# KiCad board eps.kicad_pcb (continued)
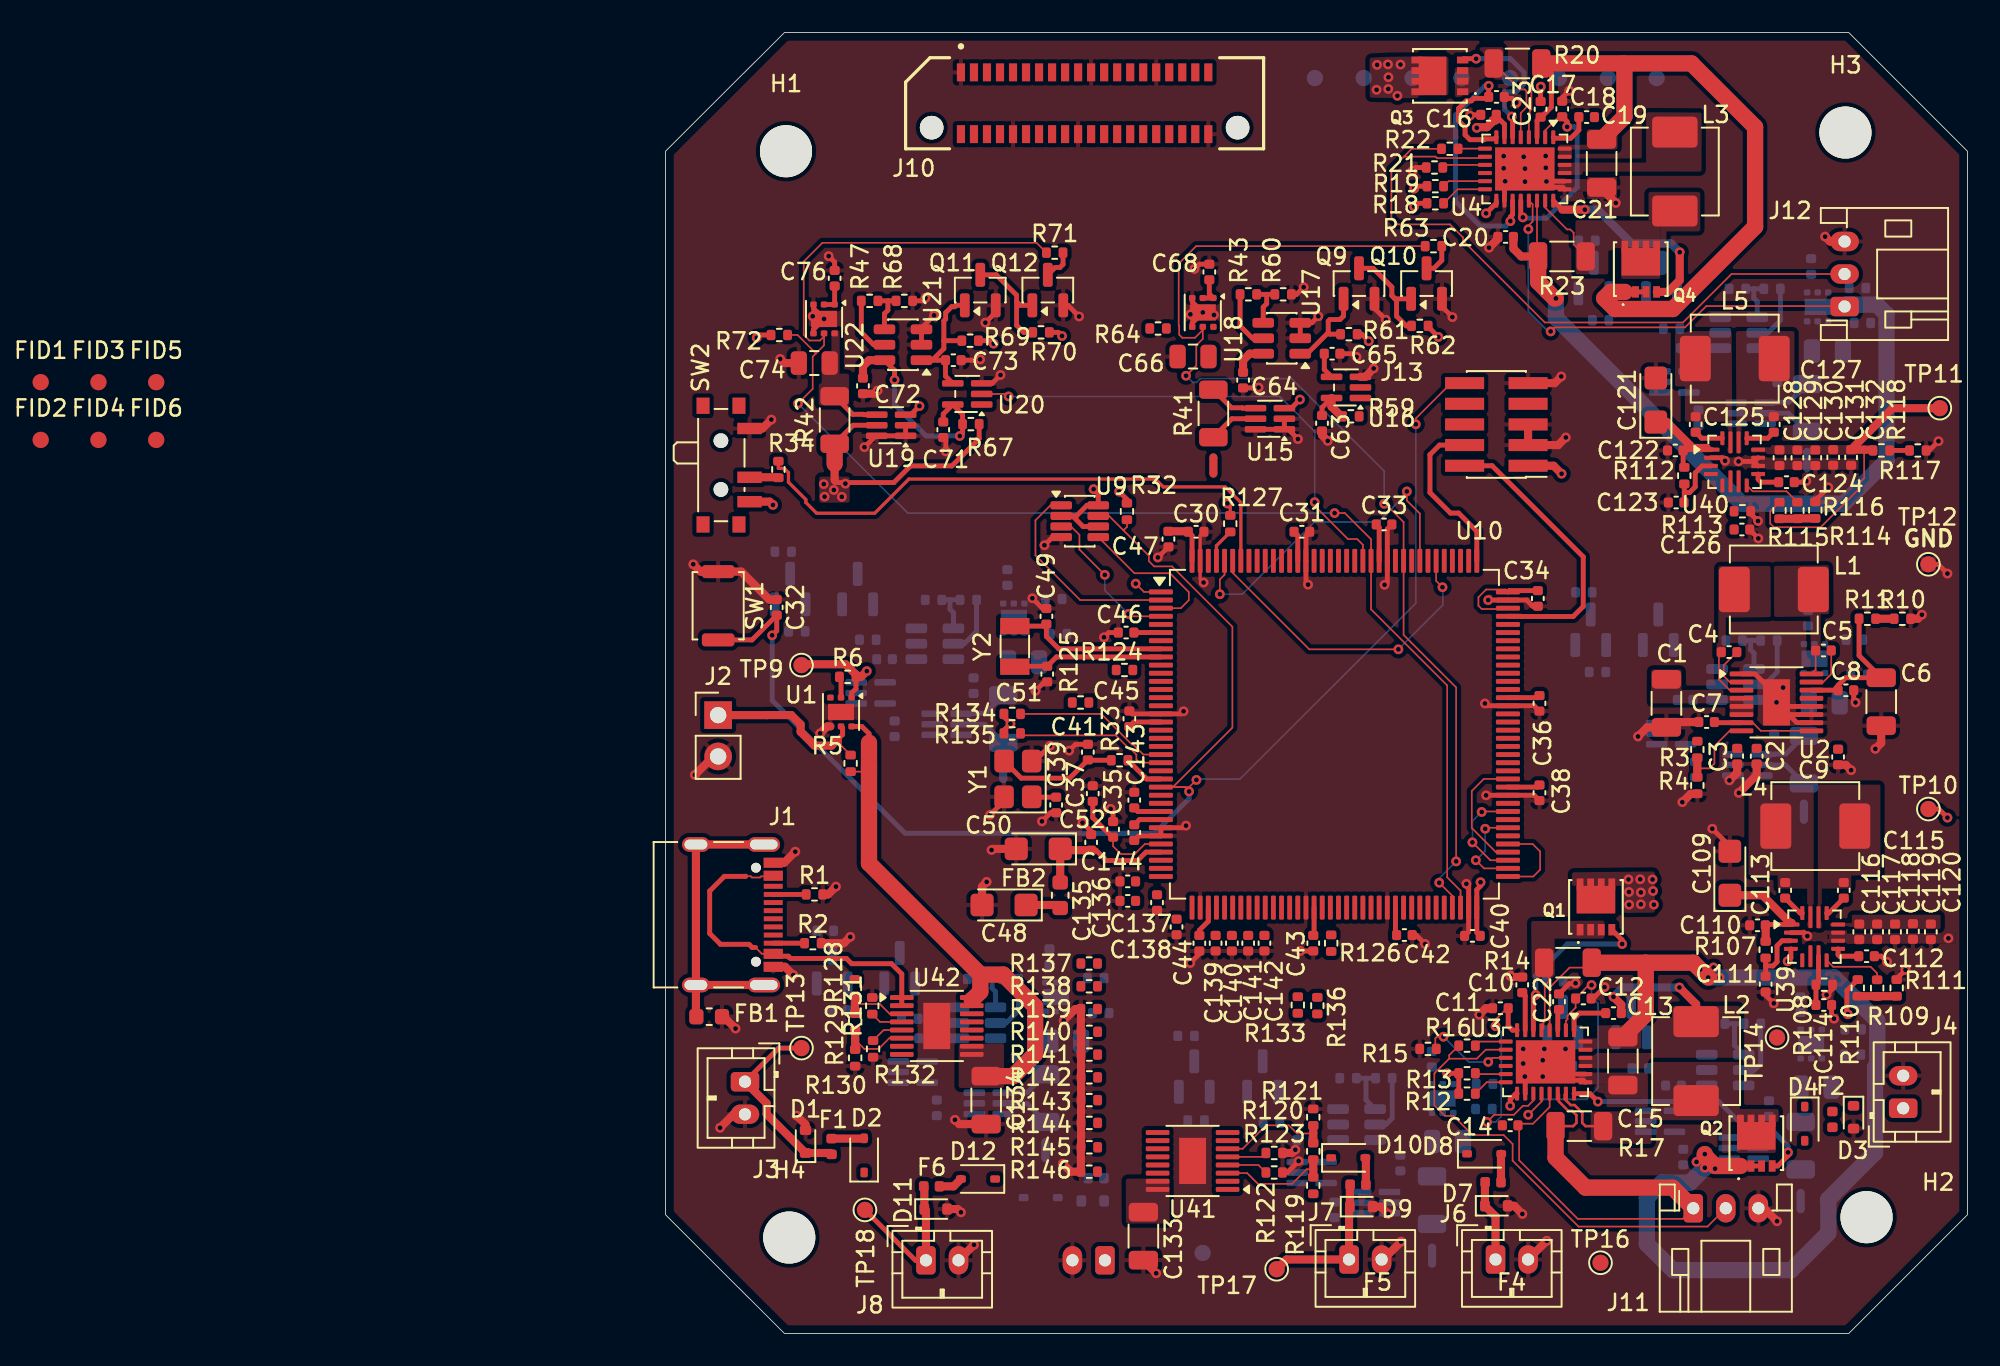
[diagram p0: board, top side]
## Placement (name value [footprint] x y rotation side) (continued)
Y1  8MHz  [Crystal_SMD_3225-4Pin_3.2x2.5mm]  21.65 34.1 90 top
Y2  32KHz  [Crystal_SMD_3215-2Pin_3.2x1.5mm]  21.46 42.25 90 top

## Library data of the parts
C1-C5 C8-C23 C30-C47 C49 C51 C52 C110-C120 C122-C144 = -: Description: capacitor, small US symbol; ki_fp_filters: C_*
C6 = -: Description: capacitor, small US symbol; Breakdown Voltage: 16V; ki_fp_filters: C_*
C7 = -: Description: capacitor, small US symbol; Breakdown Voltage: 10V; ki_fp_filters: C_*
C24-C27 C29 C55-C58 C60 C63-C66 C68 C71-C74 C76 C79-C82 C84 C87-C90 C92 C95-C98 C100 C103-C106 C108 = -: Description: Unpolarized capacitor, small symbol; ki_fp_filters: C_*
C48 C50 C109 C121 = -: Description: Polarized capacitor, small US symbol; ki_fp_filters: CP_*
D1 D3 D5 D7 D9 D11 = -: Description: Bidirectional transient-voltage-suppression diode; ki_fp_filters: TO-???* *_Diode_* *SingleDiode* D_*
D2 D4 D6 D8 D10 D12 = -: Description: Schottky diode; ki_fp_filters: TO-???* *_Diode_* *SingleDiode* D_*
F1-F6 = -: Description: Resettable fuse, polymeric positive temperature coefficient; ki_fp_filters: *polyfuse* *PTC*
FB1 FB2 = -: Description: Ferrite bead, small symbol; ki_fp_filters: Inductor_* L_* *Ferrite*
FID1-FID6 = -: Description: Fiducial Marker; ki_fp_filters: Fiducial*
H1-H4 = -: Description: Mounting Hole without connection; ki_fp_filters: MountingHole*
J1 = -: Datasheet: https://www.usb.org/sites/default/files/documents/usb_type-c.zip; Description: USB 2.0-only 16P Type-C Receptacle connector; ki_fp_filters: USB*C*Receptacle*
J2-J8 = -: Description: Generic connector, single row, 01x02, script generated (kicad-library-utils/schlib/autogen/connector/); ki_fp_filters: Connector*:*_1x??_*
J10 = -: Description: Generic connector, double row, 02x20, counter clockwise pin numbering scheme (similar to DIP package numbering), script generated (kicad-library-utils/schlib/autogen/connector/); ki_fp_filters: Connector*:*_2x??_*
J11 J12 = -: Description: Generic connector, single row, 01x03, script generated (kicad-library-utils/schlib/autogen/connector/); ki_fp_filters: Connector*:*_1x??_*
J13 = -: Datasheet: http://infocenter.arm.com/help/topic/com.arm.doc.ddi0314h/DDI0314H_coresight_components_trm.pdf; Description: Cortex Debug Connector, standard ARM Cortex-M SWD and JTAG interface; ki_fp_filters: PinHeader?2x05?P1.27mm*
L1-L5 = -: Description: Inductor, small symbol; ki_fp_filters: Choke_* *Coil* Inductor_* L_*
NT1-NT8 = -: Description: Net tie, 2 pins; ki_fp_filters: Net*Tie*
Q1-Q4 = -: Description: N-MOSFET transistor; Sim.Type: VDMOS; Sim.Pins: 1=D 2=G 3=S
Q5-Q20 = -: Datasheet: https://www.infineon.com/dgdl/irlml0030pbf.pdf?fileId=5546d462533600a401535664773825df; Description: 5.3A Id, 30V Vds, 27mOhm Rds, N-Channel HEXFET Power MOSFET, SOT-23; Vds(max): 30V; ki_fp_filters: SOT?23*
R1-R6 R10-R23 R32-R34 R107-R146 = -: Description: Resistor, small US symbol; ki_fp_filters: R_*
R24-R29 R51-R56 R59-R64 R67-R72 R75-R80 R83-R88 R91-R96 R99-R104 = -: Description: Resistor, US symbol; ki_fp_filters: R_*
R35 R36 R39 R40 R43 R44 R47 R48 = -: Description: Resistor, small US symbol; Tolerance: 1%; ki_fp_filters: R_*
R37 R38 R41 R42 R45 R46 R49 R50 = -: Description: Resistor, small US symbol; Power: 0.25W; LCSC PN: C465512; ki_fp_filters: R_*
SW1 = -: Description: Push button switch, generic, two pins
SW2 = -: Description: Switch, single pole double throw
TP1-TP18 = -: Description: test point; ki_fp_filters: Pin* Test*
U1 = -: Datasheet: http://www.ti.com/lit/ds/symlink/tps22810.pdf; Description: 2.7..18V, 3A, 79mohms On-Resistance Load Switch With Thermal Protection, WSON-6; ki_fp_filters: WSON*1EP*2x2mm*P0.65mm*
U10 = -: Datasheet: https://www.st.com/resource/en/datasheet/stm32l496zg.pdf; Description: STMicroelectronics Arm Cortex-M4 MCU, 1024KB flash, 320KB RAM, 80 MHz, 1.71-3.6V, 115 GPIO, LQFP144; ki_fp_filters: LQFP*20x20mm*P0.5mm*
Y1 = -: Description: Four pin crystal, GND on pins 2 and 4; LCSC PN: C9002; ki_fp_filters: Crystal*
Y2 = -: Description: Two pin crystal; ki_fp_filters: Crystal*

## Footprints (pads in the part's own frame, mm; a bottom-side part is the same pattern mirrored in y, then rotated)
C_0402_1005Metric
  rrect 0.56x0.62 smd: 1(-0.48,0) 2(0.48,0)
C_0805_2012Metric
  rrect 1x1.45 smd: 1(-0.95,0) 2(0.95,0)
C_1206_3216Metric
  rrect 1.15x1.8 smd: 1(-1.475,0) 2(1.475,0)
CP_EIA-3216-18_Kemet-A
  rrect 1.415x1.39 smd: 1(-1.353,0) 2(1.353,0)
Crystal_SMD_3215-2Pin_3.2x1.5mm
  rect 1x1.8 smd: 1(1.25,0) 2(-1.25,0)
Crystal_SMD_3225-4Pin_3.2x2.5mm
  rrect 1.4x1.2 smd: 1(-1.1,-0.85) 2(1.1,-0.85) 3(1.1,0.85) 4(-1.1,0.85)
D_SOD-323
  rrect 0.6x0.45 smd: 1(-1.05,0) 2(1.05,0)
D_SOD-523
  rrect 0.6x0.7 smd: 1(-0.7,0) 2(0.7,0)
Fiducial_1mm_Mask2mm
  round 1 smd: (0,0)
Fuse_0402_1005Metric
  rrect 0.59x0.64 smd: 1(-0.485,0) 2(0.485,0)
JST_PH_B2B-PH-K_1x02_P2.00mm_Vertical
  rrect 1.2x1.75 hole 0.75: 1(0,0)
  oval 1.2x1.75 hole 0.75: 2(2,0)
JST_PH_S3B-PH-K_1x03_P2.00mm_Horizontal
  rrect 1.2x1.75 hole 0.75: 1(0,0)
  oval 1.2x1.75 hole 0.75: 2(2,0) 3(4,0)
L_0603_1608Metric
  rrect 0.875x0.95 smd: 1(-0.787,0) 2(0.787,0)
L_Vishay_IHLP-2020
  rrect 1.905x2.79 smd: 1(-2.425,0) 2(2.425,0)
LQFP-144_20x20mm_P0.5mm
  rrect 1.475x0.3 smd: 1(-10.662,8.75) 2(-10.662,8.25) 3(-10.662,7.75) 4(-10.662,7.25) 5(-10.662,6.75) 6(-10.662,6.25) 7(-10.662,5.75) 8(-10.662,5.25) 9(-10.662,4.75) 10(-10.662,4.25) 11(-10.662,3.75) 12(-10.662,3.25) 13(-10.662,2.75) 14(-10.662,2.25) 15(-10.662,1.75) 16(-10.662,1.25) 17(-10.662,0.75) 18(-10.662,0.25) 19(-10.662,-0.25) 20(-10.662,-0.75) 21(-10.662,-1.25) 22(-10.662,-1.75) 23(-10.662,-2.25) 24(-10.662,-2.75) 25(-10.662,-3.25) 26(-10.662,-3.75) 27(-10.662,-4.25) 28(-10.662,-4.75) 29(-10.662,-5.25) 30(-10.662,-5.75) 31(-10.662,-6.25) 32(-10.662,-6.75) 33(-10.662,-7.25) 34(-10.662,-7.75) 35(-10.662,-8.25) 36(-10.662,-8.75) 73(10.662,-8.75) 74(10.662,-8.25) 75(10.662,-7.75) 76(10.662,-7.25) 77(10.662,-6.75) 78(10.662,-6.25) 79(10.662,-5.75) 80(10.662,-5.25) 81(10.662,-4.75) 82(10.662,-4.25) 83(10.662,-3.75) 84(10.662,-3.25) 85(10.662,-2.75) 86(10.662,-2.25) 87(10.662,-1.75) 88(10.662,-1.25) 89(10.662,-0.75) 90(10.662,-0.25) 91(10.662,0.25) 92(10.662,0.75) 93(10.662,1.25) 94(10.662,1.75) 95(10.662,2.25) 96(10.662,2.75) 97(10.662,3.25) 98(10.662,3.75) 99(10.662,4.25) 100(10.662,4.75) 101(10.662,5.25) 102(10.662,5.75) 103(10.662,6.25) 104(10.662,6.75) 105(10.662,7.25) 106(10.662,7.75) 107(10.662,8.25) 108(10.662,8.75)
  rrect 0.3x1.475 smd: 37(-8.75,-10.662) 38(-8.25,-10.662) 39(-7.75,-10.662) 40(-7.25,-10.662) 41(-6.75,-10.662) 42(-6.25,-10.662) 43(-5.75,-10.662) 44(-5.25,-10.662) 45(-4.75,-10.662) 46(-4.25,-10.662) 47(-3.75,-10.662) 48(-3.25,-10.662) 49(-2.75,-10.662) 50(-2.25,-10.662) 51(-1.75,-10.662) 52(-1.25,-10.662) 53(-0.75,-10.662) 54(-0.25,-10.662) 55(0.25,-10.662) 56(0.75,-10.662) 57(1.25,-10.662) 58(1.75,-10.662) 59(2.25,-10.662) 60(2.75,-10.662) 61(3.25,-10.662) 62(3.75,-10.662) 63(4.25,-10.662) 64(4.75,-10.662) 65(5.25,-10.662) 66(5.75,-10.662) 67(6.25,-10.662) 68(6.75,-10.662) 69(7.25,-10.662) 70(7.75,-10.662) 71(8.25,-10.662) 72(8.75,-10.662) 109(8.75,10.662) 110(8.25,10.662) 111(7.75,10.662) 112(7.25,10.662) 113(6.75,10.662) 114(6.25,10.662) 115(5.75,10.662) 116(5.25,10.662) 117(4.75,10.662) 118(4.25,10.662) 119(3.75,10.662) 120(3.25,10.662) 121(2.75,10.662) 122(2.25,10.662) 123(1.75,10.662) 124(1.25,10.662) 125(0.75,10.662) 126(0.25,10.662) 127(-0.25,10.662) 128(-0.75,10.662) 129(-1.25,10.662) 130(-1.75,10.662) 131(-2.25,10.662) 132(-2.75,10.662) 133(-3.25,10.662) 134(-3.75,10.662) 135(-4.25,10.662) 136(-4.75,10.662) 137(-5.25,10.662) 138(-5.75,10.662) 139(-6.25,10.662) 140(-6.75,10.662) 141(-7.25,10.662) 142(-7.75,10.662) 143(-8.25,10.662) 144(-8.75,10.662)
MountingHole_3.2mm_M3
  round 3.2 hole 3.2 unplated: (0,0)
MPS_QFN-16_3x3mm_P0.5mm
  custom 0.95x0.25 smd: 1(-1.4,0.75)
  rrect 0.85x0.25 smd: 2(-1.45,0.25) 3(-1.45,-0.25) 10(1.45,-0.25) 11(1.45,0.25)
  custom 0.85x0.25 smd: 4(-1.45,-0.75) 9(1.45,-0.75) 12(1.45,0.75)
  custom 0.25x0.85 smd: 5(-0.75,-1.45) 8(0.75,-1.45) 13(0.75,1.45) 16(-0.75,1.45)
  rrect 0.25x1.35 smd: 6(-0.25,-1.2) 7(0.25,-1.2) 14(0.25,1.2) 15(-0.25,1.2)
MSOP-16-1EP_3x4.039mm_P0.5mm_EP1.651x2.845mm
  rrect 0.69x1.19 smd: (-0.415,0.71) (-0.415,-0.71) (0.415,0.71) (0.415,-0.71)
  rrect 1.45x0.3 smd: 1(-2.15,1.75) 2(-2.15,1.25) 3(-2.15,0.75) 4(-2.15,0.25) 5(-2.15,-0.25) 6(-2.15,-0.75) 7(-2.15,-1.25) 8(-2.15,-1.75) 9(2.15,-1.75) 10(2.15,-1.25) 11(2.15,-0.75) 12(2.15,-0.25) 13(2.15,0.25) 14(2.15,0.75) 15(2.15,1.25) 16(2.15,1.75)
  rect 1.651x2.845 smd: 17(0,0)
NetTie-2_SMD_Pad0.5mm
  round 0.5 smd: 1(-0.5,0) 2(0.5,0)
PinHeader_1x02_P2.54mm_Vertical
  rect 1.7x1.7 hole 1: 1(0,0)
  round 1.7 hole 1: 2(0,-2.54)
PinHeader_2x05_P1.27mm_Vertical_SMD
  rect 2.4x0.74 smd: 1(-1.95,2.54) 2(1.95,2.54) 3(-1.95,1.27) 4(1.95,1.27) 5(-1.95,0) 6(1.95,0) 7(-1.95,-1.27) 8(1.95,-1.27) 9(-1.95,-2.54) 10(1.95,-2.54)
QFN-28-1EP_4x5mm_P0.5mm_EP2.65x3.65mm
  rrect 1.07x0.98 smd: (-0.66,1.22) (-0.66,0) (-0.66,-1.22) (0.66,1.22) (0.66,0) (0.66,-1.22)
  rrect 0.85x0.25 smd: 1(-1.95,1.75) 2(-1.95,1.25) 3(-1.95,0.75) 4(-1.95,0.25) 5(-1.95,-0.25) 6(-1.95,-0.75) 7(-1.95,-1.25) 8(-1.95,-1.75) 15(1.95,-1.75) 16(1.95,-1.25) 17(1.95,-0.75) 18(1.95,-0.25) 19(1.95,0.25) 20(1.95,0.75) 21(1.95,1.25) 22(1.95,1.75)
  rrect 0.25x0.85 smd: 9(-1.25,-2.45) 10(-0.75,-2.45) 11(-0.25,-2.45) 12(0.25,-2.45) 13(0.75,-2.45) 14(1.25,-2.45) 23(1.25,2.45) 24(0.75,2.45) 25(0.25,2.45) 26(-0.25,2.45) 27(-0.75,2.45) 28(-1.25,2.45)
  rect 2.65x3.65 smd: 29(0,0)
R_0402_1005Metric
  rrect 0.54x0.64 smd: 1(-0.51,0) 2(0.51,0)
R_1206_3216Metric
  rrect 1.125x1.75 smd: 1(-1.462,0) 2(1.462,0)
SAMTEC_ERM8-020-X-X-DV
  round 1.45 hole 1.45 unplated: (-9.4,-1.5) (9.4,-1.5)
  rect 0.5x1.1 smd: 01(-7.6,1.9) 02(-7.6,-1.9) 03(-6.8,1.9) 04(-6.8,-1.9) 05(-6,1.9) 06(-6,-1.9) 07(-5.2,1.9) 08(-5.2,-1.9) 09(-4.4,1.9) 10(-4.4,-1.9) 11(-3.6,1.9) 12(-3.6,-1.9) 13(-2.8,1.9) 14(-2.8,-1.9) 15(-2,1.9) 16(-2,-1.9) 17(-1.2,1.9) 18(-1.2,-1.9) 19(-0.4,1.9) 20(-0.4,-1.9) 21(0.4,1.9) 22(0.4,-1.9) 23(1.2,1.9) 24(1.2,-1.9) 25(2,1.9) 26(2,-1.9) 27(2.8,1.9) 28(2.8,-1.9) 29(3.6,1.9) 30(3.6,-1.9) 31(4.4,1.9) 32(4.4,-1.9) 33(5.2,1.9) 34(5.2,-1.9) 35(6,1.9) 36(6,-1.9) 37(6.8,1.9) 38(6.8,-1.9) 39(7.6,1.9) 40(7.6,-1.9)
SOT-23
  rrect 1.475x0.6 smd: 1(-0.938,0.95) 2(-0.938,-0.95) 3(0.938,0)
SOT-23-6
  rrect 1.325x0.6 smd: 1(-1.137,0.95) 2(-1.137,0) 3(-1.137,-0.95) 4(1.137,-0.95) 5(1.137,0) 6(1.137,0.95)
SOT-23-8
  rrect 1.325x0.5 smd: 1(-1.137,0.975) 2(-1.137,0.325) 3(-1.137,-0.325) 4(-1.137,-0.975) 5(1.137,-0.975) 6(1.137,-0.325) 7(1.137,0.325) 8(1.137,0.975)
SOT-353_SC-70-5
  rrect 1.325x0.4 smd: 1(-0.887,0.65) 2(-0.887,0) 3(-0.887,-0.65) 4(0.887,-0.65) 5(0.887,0.65)
SOT-363_SC-70-6
  rrect 1.325x0.4 smd: 1(-0.887,0.65) 2(-0.887,0) 3(-0.887,-0.65) 4(0.887,-0.65) 5(0.887,0) 6(0.887,0.65)
SW_Push_SPST_NO_Alps_SKRK
  rrect 0.8x2 smd: 1(-2.1,0) 2(2.1,0)
SW_SPDT_PCM12
  rect 1x0.8 smd: (-3.65,0.78) (-3.65,-1.43) (3.65,0.78) (3.65,-1.43)
  round 0.9 hole 0.9 unplated: (-1.5,-0.33) (1.5,-0.33)
  rect 0.7x1.5 smd: 1(-2.25,1.43) 2(0.75,1.43) 3(2.25,1.43)
TestPoint_Pad_D1.0mm
  round 1 smd: 1(0,0)
TRANS_FDMC8327L
  rect 0.7x0.42 smd: 1(-1.4,0.975) 2(-1.4,0.325) 3(-1.4,-0.325) 4(-1.4,-0.975) 5(1.4,-0.975) 6(1.4,-0.325) 7(1.4,0.325) 8(1.4,0.975)
  rect 1.7x2.37 smd: 9(0.45,0)
USB_C_Receptacle_Palconn_UTC16-G
  round 0.6 hole 0.6 unplated: (-2.89,1.45) (2.89,1.45)
  rect 0.6x1.16 smd: A1(-3.2,2.51) A4(-2.4,2.51) A9(2.4,2.51) A12(3.2,2.51) B1(3.2,2.51) B4(2.4,2.51) B9(-2.4,2.51) B12(-3.2,2.51)
  rect 0.3x1.16 smd: A5(-1.25,2.51) A6(-0.25,2.51) A7(0.25,2.51) A8(1.25,2.51) B5(1.75,2.51) B6(0.75,2.51) B7(-0.75,2.51) B8(-1.75,2.51)
  oval 0.9x2 hole 0.6x1.7: S1(-4.32,1.93) S1(4.32,1.93)
  oval 0.9x1.7 hole 0.6x1.4: S1(-4.32,-2.24) S1(4.32,-2.24)
WSON-6-1EP_2x2mm_P0.65mm_EP1x1.6mm
  rrect 0.81x0.64 smd: (0,0.4) (0,-0.4)
  rrect 0.375x0.4 smd: 1(-0.887,0.65) 2(-0.887,0) 3(-0.887,-0.65) 4(0.887,-0.65) 5(0.887,0) 6(0.887,0.65)
  rect 1x1.6 smd: 7(0,0)

## Nets
+3.3V: C30.1 C31.1 C33.1 C34.1 C36.1 C38.1 C40.1 C42.1 C43.1 C44.1 C45.1 C46.1 C47.1 C48.1 C116.1 C117.1 C118.1 C119.1 C120.1 FB2.1 J13.1 NT1.1 NT2.1 NT3.1 NT4.1 NT5.1 NT6.1 R12.2 R13.2 R18.2 R19.2 R24.1 R26.1 R27.1 R29.1 R32.1 R51.1 R53.1 R54.1 R56.1 R59.1 R61.1 R62.1 R64.1 R67.1 R69.1 R70.1 R72.1 R75.1 R77.1 R78.1 R80.1 R83.1 R85.1 R86.1 R88.1 R93.1 R94.1 R96.1 R101.1 R102.1 R104.1 R110.1 R124.1 R125.1 R126.1 R127.1 R133.1 R134.1 R135.1 R136.1 SW2.3 TP10.1 U3.15 U4.15 U5.3 U9.2 U9.6 U9.8 U10.6 U10.17 U10.39 U10.52 U10.62 U10.72 U10.84 U10.95 U10.106 U10.108 U10.121 U10.131 U10.144 U11.3 U15.3 U19.3 U23.3 U27.3 U31.3 U35.3 U39.12
+5V: C128.1 C129.1 C130.1 C131.1 C132.1 NT7.1 NT8.1 R91.1 R99.1 R115.1 R118.1 TP11.1 U40.12
/3v3 Voltage Regulator/VIN: C109.1 C110.1 C121.1 C122.1 C133.1 R107.1 R112.1 U39.1 U40.1 U41.9 U41.10 U41.15 U41.16
/5V_REG_ADC: R117.1 R118.2 R138.1
/MPPT/VCC: C7.1 U2.7 U2.9
/MPPT/VIN: C1.1 C2.1 C3.1 D2.1 D4.1 D6.1 D8.1 D10.1 D12.1 R3.1 U2.4 U2.5 U2.6
/STM32L4/5V_REG_S: C136.1 R138.2 U10.35
/STM32L4/VDDA: C50.1 C52.1 FB2.2 U10.33
GND: C1.2 C2.2 C3.2 C6.2 C7.2 C8.2 C9.2 C10.2 C11.2 C12.2 C14.2 C15.2 C16.2 C17.2 C18.2 C20.2 C21.2 C22.2 C23.2 C24.2 C25.1 C26.1 C27.1 C29.1 C30.2 C31.2 C32.1 C33.2 C34.2 C35.2 C36.2 C37.2 C38.2 C39.2 C40.2 C41.2 C42.2 C43.2 C44.2 C45.2 C46.2 C47.2 C48.2 C49.1 C50.2 C51.1 C52.2 C55.2 C56.1 C57.1 C58.1 C60.1 C63.2 C64.1 C65.1 C66.1 C68.1 C71.2 C72.1 C73.1 C74.1 C76.1 C79.2 C80.1 C81.1 C82.1 C84.1 C87.2 C88.1 C89.1 C90.1 C92.1 C95.2 C96.1 C97.1 C98.1 C100.1 C103.2 C104.1 C105.1 C106.1 C108.1 C109.2 C110.2 C111.2 C112.2 C114.2 C116.2 C117.2 C118.2 C119.2 C120.2 C121.2 C122.2 C123.2 C124.2 C126.2 C128.2 C129.2 C130.2 C131.2 C132.2 C133.2 C134.2 C135.2 C136.2 C137.2 C138.2 C139.2 C140.2 C141.2 C142.2 C143.2 C144.2 D1.2 D3.2 D5.2 D7.2 D9.2 D11.2 FB1.2 J1.A1 J1.A12 J1.B1 J1.B12 J2.2 J3.2 J4.2 J5.2 J6.2 J7.2 J8.2 J10.01 J10.10 J10.20 J10.21 J10.31 J10.40 J11.3 J12.3 J13.3 J13.5 J13.9 Q5.2 Q6.2 Q7.2 Q8.2 Q9.2 Q10.2 Q11.2 Q12.2 Q13.2 Q14.2 Q15.2 Q16.2 Q17.2 Q18.2 Q19.2 Q20.2 R1.2 R2.2 R4.2 R10.2 R15.2 R21.2 R25.2 R52.2 R60.2 R68.2 R76.2 R84.2 R92.2 R100.2 R108.2 R111.2 R113.2 R116.2 R117.2 R121.2 R122.2 R123.2 R130.2 R131.2 R132.2 R139.1 R140.1 R141.1 R142.1 R143.1 R144.1 R145.1 R146.1 SW1.1 SW2.1 TP12.1 U1.4 U1.7 U2.1 U2.10 U2.11 U2.12 U2.17 U3.16 U3.23 U3.24 U3.29 U4.16 U4.23 U4.24 U4.29 U5.1 U5.2 U5.6 U6.3 U7.2 U7.3 U8.3 U8.4 U8.7 U9.4 U10.16 U10.30 U10.31 U10.38 U10.51 U10.61 U10.71 U10.83 U10.94 U10.107 U10.120 U10.130 U10.143 U11.1 U11.2 U11.6 U12.3 U13.2 U13.3 U14.3 U14.4 U14.7 U15.1 U15.2 U15.6 U16.3 U17.2 U17.3 U18.3 U18.4 U18.7 U19.1 U19.2 U19.6 U20.3 U21.2 U21.3 U22.3 U22.4 U22.7 U23.1 U23.2 U23.6 U24.3 U25.2 U25.3 U26.3 U26.4 U26.7 U27.1 U27.2 U27.6 U28.3 U29.2 U29.3 U30.3 U30.4 U30.7 U31.1 U31.2 U31.6 U32.3 U33.2 U33.3 U34.3 U34.4 U34.7 U35.1 U35.2 U35.6 U36.3 U37.2 U37.3 U38.3 U38.4 U38.7 U39.2 U39.10 U39.11 U40.2 U40.10 U40.11 U41.17 U42.17 Y1.2 Y1.4
VBUS: J1.A4 J1.A9 J1.B4 J1.B9 R128.1 U42.1 U42.2
/3v3 Voltage Regulator/SW1: C113.2 L4.1 U39.15
/3v3 Voltage Regulator/SW2: C115.2 L4.2 U39.14
/5V Voltage Regulator/SW1: C125.2 L5.1 U40.15
/5V Voltage Regulator/SW2: C127.2 L5.2 U40.14
/AUX_RX: J10.23 U10.45
/AUX_TX: J10.22 U10.44
/Battery Charger1/CSN: C20.1 J12.1 R23.2 U4.19 U4.20
/Battery Charger1/CSP: L3.2 Q4.5 Q4.6 Q4.7 Q4.8 Q4.9 R23.1 U4.21
/Battery Charger1/NTC: J12.2 R22.2 U4.10
/Battery Charger1/SW1: C19.2 L3.1 U4.25 U4.26
/Battery Charger1/VOUT: C21.1 C23.1 Q4.1 Q4.2 Q4.3 R20.2 U4.3 U4.4 U4.27 U4.28 U41.7 U41.8
/Battery Charger/CSN: C14.1 J11.1 R17.2 U3.19 U3.20
/Battery Charger/CSP: L2.2 Q2.5 Q2.6 Q2.7 Q2.8 Q2.9 R17.1 U3.21
/Battery Charger/NTC: J11.2 R16.2 U3.10
/Battery Charger/SW1: C13.2 L2.1 U3.25 U3.26
/Battery Charger/VOUT: C15.1 C22.1 Q2.1 Q2.2 Q2.3 R14.2 R119.1 U3.3 U3.4 U3.27 U3.28 U41.1 U41.2
/C1_ALERT: U3.12 U10.14
/C1_SCL: R13.1 U3.13 U10.11
/C1_SDA: R12.1 U3.14 U10.10
/C2_ALERT: U4.12 U10.20
/C2_SCL: R19.1 U4.13 U10.54
/C2_SDA: R18.1 U4.14 U10.55
/Current Monitors/Aux 1/RREF+: R36.1 U25.5
/Current Monitors/Aux 1/RREF-: R36.2 R76.1 U25.4
/Current Monitors/Aux 1/Shunt+: NT5.2 R50.1 U23.5
/Current Monitors/Aux 1/Shunt-: C82.2 R50.2 U23.4 U26.6
/Current Monitors/Aux 2/RREF+: R40.1 U29.5
/Current Monitors/Aux 2/RREF-: R40.2 R84.1 U29.4
/Current Monitors/Aux 2/Shunt+: NT6.2 R49.1 U27.5
/Current Monitors/Aux 2/Shunt-: C90.2 R49.2 U27.4 U30.6
/Current Monitors/Auxiliary & Deployables/RREF+: R48.1 U37.5
/Current Monitors/Auxiliary & Deployables/RREF-: R48.2 R100.1 U37.4
/Current Monitors/Auxiliary & Deployables/Shunt+: NT8.2 R45.1 U35.5
/Current Monitors/Auxiliary & Deployables/Shunt-: C106.2 R45.2 U35.4 U38.6
/Current Monitors/Comms/RREF+: R39.1 U13.5
/Current Monitors/Comms/RREF-: R39.2 R52.1 U13.4
/Current Monitors/Comms/Shunt+: NT2.2 R38.1 U11.5
/Current Monitors/Comms/Shunt-: C58.2 R38.2 U11.4 U14.6
/Current Monitors/GPS/RREF+: R47.1 U21.5
/Current Monitors/GPS/RREF-: R47.2 R68.1 U21.4
/Current Monitors/GPS/Shunt+: NT4.2 R42.1 U19.5
/Current Monitors/GPS/Shunt-: C74.2 R42.2 U19.4 U22.6
/Current Monitors/OBC/RREF+: R35.1 U7.5
/Current Monitors/OBC/RREF-: R25.1 R35.2 U7.4
/Current Monitors/OBC/Shunt+: NT1.2 R37.1 U5.5
/Current Monitors/OBC/Shunt-: C27.2 R37.2 U5.4 U8.6
/Current Monitors/RAIL_1_RST: U6.2 U10.115
/Current Monitors/RAIL_1_VOUT: C29.2 J10.02 J10.39 TP1.1 U8.1 U8.2
/Current Monitors/RAIL_2_RST: U10.117 U12.2
/Current Monitors/RAIL_2_VOUT: C60.2 J10.03 J10.38 TP2.1 U14.1 U14.2
/Current Monitors/RAIL_3_RST: U10.119 U16.2
/Current Monitors/RAIL_3_VOUT: C68.2 J10.04 J10.37 TP3.1 U18.1 U18.2
/Current Monitors/RAIL_4_RST: U10.123 U20.2
/Current Monitors/RAIL_4_VOUT: C76.2 J10.05 J10.36 TP4.1 U22.1 U22.2
/Current Monitors/RAIL_5_RST: U10.78 U24.2
/Current Monitors/RAIL_5_VOUT: C84.2 J10.06 J10.35 TP5.1 U26.1 U26.2
/Current Monitors/RAIL_6_RST: U10.80 U28.2
/Current Monitors/RAIL_6_VOUT: C92.2 J10.07 J10.34 TP6.1 U30.1 U30.2
/Current Monitors/RAIL_7_RST: U10.82 U32.2
/Current Monitors/RAIL_7_VOUT: C100.2 J10.08 J10.33 TP7.1 U34.1 U34.2
/Current Monitors/RAIL_8_RST: U10.86 U36.2
/Current Monitors/RAIL_8_VOUT: C108.2 J10.09 J10.32 TP8.1 U38.1 U38.2
/Current Monitors/Raspberry Pi Camera/RREF+: R44.1 U33.5
/Current Monitors/Raspberry Pi Camera/RREF-: R44.2 R92.1 U33.4
/Current Monitors/Raspberry Pi Camera/Shunt+: NT7.2 R46.1 U31.5
/Current Monitors/Raspberry Pi Camera/Shunt-: C98.2 R46.2 U31.4 U34.6
/Current Monitors/Sensors/RREF+: R43.1 U17.5
/Current Monitors/Sensors/RREF-: R43.2 R60.1 U17.4
/Current Monitors/Sensors/Shunt+: NT3.2 R41.1 U15.5
/Current Monitors/Sensors/Shunt-: C66.2 R41.2 U15.4 U18.6
/D_STAT1: R124.2 U10.18 U41.14
/D_STAT2: R127.2 U10.141 U41.11
/D_WARN1: R125.2 U10.15 U41.13
/D_WARN2: R126.2 U10.53 U41.12
/MAIN_RX: J10.18 U10.125
/MAIN_TX: J10.19 U10.124
/MPPT/MPPC: R3.2 R4.1 U2.8
/MPPT_ADC: R10.1 R11.2 R137.1
/MPPT_V: C6.1 C8.1 C9.1 R11.1 U2.14 U42.7 U42.8
/OBC_HRT: J10.14 U10.58
/OBC_RST: J10.12 U10.5
/PGOOD: J10.11 U2.13 U10.12
/Power Path Ideal Diode1/VOUT: C134.1 R5.2 U1.6 U42.9 U42.10 U42.15 U42.16
/REG_1_ALT: U10.142 U39.4
/REG_1_SCL: U10.26 U39.5
/REG_1_SDA: U10.27 U39.6
/REG_2_ALT: U10.1 U40.4
/REG_2_SCL: U10.136 U40.5
/REG_2_SDA: U10.137 U40.6
/RESET: C32.2 J10.13 J13.10 R32.2 SW1.2 U9.7 U10.25
/SET0: U9.1 U10.2
/SET1: U9.5 U10.3
/SHIELD: FB1.1 J1.S1
/STM32L4/BOOT: R34.1 U10.138
/STM32L4/MPPT_S: C135.1 R137.2 U10.34
/STM32L4/RAIL_1_ON: R28.1 R29.2 U8.5 U10.114 U10.139
/STM32L4/RAIL_1_S: C137.1 R139.2 U10.36
/STM32L4/RAIL_2_ON: R55.1 R56.2 U10.116 U10.140 U14.5
/STM32L4/RAIL_2_S: C138.1 R140.2 U10.37
/STM32L4/RAIL_3_ON: R63.1 R64.2 U10.69 U10.118 U18.5
/STM32L4/RAIL_3_S: C139.1 R141.2 U10.40
/STM32L4/RAIL_4_ON: R71.1 R72.2 U10.70 U10.122 U22.5
/STM32L4/RAIL_4_S: C140.1 R142.2 U10.41
/STM32L4/RAIL_5_ON: R79.1 R80.2 U10.73 U10.77 U26.5
/STM32L4/RAIL_5_S: C141.1 R143.2 U10.42
/STM32L4/RAIL_6_ON: R87.1 R88.2 U10.74 U10.79 U30.5
/STM32L4/RAIL_6_S: C142.1 R144.2 U10.43
/STM32L4/RAIL_7_ON: R95.1 R96.2 U10.75 U10.81 U34.5
/STM32L4/RAIL_7_S: C143.1 R145.2 U10.28
/STM32L4/RAIL_8_ON: R103.1 R104.2 U10.76 U10.85 U38.5
/STM32L4/RAIL_8_S: C144.1 R146.2 U10.29
/STM32L4/SWCLK: J13.4 U10.109
/STM32L4/SWDIO: J13.2 U10.105
/U_STAT1: R133.2 U10.49 U42.14
/U_STAT2: R136.2 U10.50 U42.11
/U_WARN1: R134.2 U10.21 U42.13
/U_WARN2: R135.2 U10.22 U42.12
/VREF+: C35.1 C37.1 U10.32
/VSYS: C10.1 C16.1 Q1.5 Q1.6 Q1.7 Q1.8 Q1.9 Q3.5 Q3.6 Q3.7 Q3.8 Q3.9 R6.2 TP9.1 U1.1 U3.7 U4.7
/WDI: U9.3 U10.4
Net-(C41-Pad1): C41.1 R33.2 Y1.3
Net-(D1-A1): D1.1 F1.1 J3.1 TP13.1
Net-(D2-A): D2.2 F1.2
Net-(D3-A1): D3.1 F2.1 J4.1 TP14.1
Net-(D4-A): D4.2 F2.2
Net-(D5-A1): D5.1 F3.1 J5.1 TP15.1
Net-(D6-A): D6.2 F3.2
Net-(D7-A1): D7.1 F4.1 J6.1 TP16.1
Net-(D8-A): D8.2 F4.2
Net-(D9-A1): D9.1 F5.1 J7.1 TP17.1
Net-(D10-A): D10.2 F5.2
Net-(D11-A1): D11.1 F6.1 J8.1 TP18.1
Net-(D12-A): D12.2 F6.2
Net-(J1-CC1): J1.A5 R1.1
Net-(J1-CC2): J1.B5 R2.1
Net-(J2-Pin_1): J2.1 R5.1 U1.5
Net-(Q1-G): Q1.4 U3.6
Net-(Q2-G): Q2.4 U3.22
Net-(Q3-G): Q3.4 U4.6
Net-(Q4-G): Q4.4 U4.22
Net-(Q5-D): Q5.3 Q6.1 R27.2
Net-(Q5-G): C26.2 Q5.1 R26.2 U6.4 U7.1
Net-(Q6-D): Q6.3 R28.2
Net-(Q7-D): Q7.3 Q8.1 R54.2
Net-(Q7-G): C57.2 Q7.1 R53.2 U12.4 U13.1
Net-(Q8-D): Q8.3 R55.2
Net-(Q9-G): C65.2 Q9.1 R61.2 U16.4 U17.1
Net-(Q10-D): Q10.3 R63.2
Net-(Q10-G): Q9.3 Q10.1 R62.2
Net-(Q11-D): Q11.3 Q12.1 R70.2
Net-(Q11-G): C73.2 Q11.1 R69.2 U20.4 U21.1
Net-(Q12-D): Q12.3 R71.2
Net-(Q13-D): Q13.3 Q14.1 R78.2
Net-(Q13-G): C81.2 Q13.1 R77.2 U24.4 U25.1
Net-(Q14-D): Q14.3 R79.2
Net-(Q15-D): Q15.3 Q16.1 R86.2
Net-(Q15-G): C89.2 Q15.1 R85.2 U28.4 U29.1
Net-(Q16-D): Q16.3 R87.2
Net-(Q17-D): Q17.3 Q18.1 R94.2
Net-(Q17-G): C97.2 Q17.1 R93.2 U32.4 U33.1
Net-(Q18-D): Q18.3 R95.2
Net-(Q19-D): Q19.3 Q20.1 R102.2
Net-(Q19-G): C105.2 Q19.1 R101.2 U36.4 U37.1
Net-(Q20-D): Q20.3 R103.2
Net-(R109-Pad2): R109.2 R110.2 R111.1
Net-(R114-Pad2): R114.2 R115.2 R116.1
Net-(SW2-B): R34.2 SW2.2
Net-(U1-QOD): R6.1 U1.2
Net-(U2-BST1): C4.2 U2.2
Net-(U2-BST2): C5.1 U2.15
Net-(U2-SW1): C4.1 L1.1 U2.3
Net-(U2-SW2): C5.2 L1.2 U2.16
Net-(U3-BOOST): C13.1 U3.1
Net-(U3-CELLS0): C11.1 U3.8 U3.17
Net-(U3-CELLS1): C12.1 U3.2 U3.18
Net-(U3-CLP): Q1.1 Q1.2 Q1.3 R14.1 U3.5
Net-(U3-NTCBIAS): R16.1 U3.9
Net-(U3-RT): R15.1 U3.11
Net-(U4-BOOST): C19.1 U4.1
Net-(U4-CELLS0): C17.1 U4.8 U4.17
Net-(U4-CELLS1): C18.1 U4.2 U4.18
Net-(U4-CLP): Q3.1 Q3.2 Q3.3 R20.1 U4.5
Net-(U4-NTCBIAS): R22.1 U4.9
Net-(U4-RT): R21.1 U4.11
Net-(U7-VDD): C24.1 C25.2 R24.2 U6.5 U7.6
Net-(U10-PC14): C49.2 U10.8 Y2.1
Net-(U10-PC15): C51.2 U10.9 Y2.2
Net-(U10-PH0): C39.1 U10.23 Y1.1
Net-(U10-PH1): R33.1 U10.24
Net-(U13-VDD): C55.1 C56.2 R51.2 U12.5 U13.6
Net-(U17-VDD): C63.1 C64.2 R59.2 U16.5 U17.6
Net-(U21-VDD): C71.1 C72.2 R67.2 U20.5 U21.6
Net-(U25-VDD): C79.1 C80.2 R75.2 U24.5 U25.6
Net-(U29-VDD): C87.1 C88.2 R83.2 U28.5 U29.6
Net-(U33-VDD): C95.1 C96.2 R91.2 U32.5 U33.6
Net-(U37-VDD): C103.1 C104.2 R99.2 U36.5 U37.6
Net-(U39-BST1): C113.1 U39.16
Net-(U39-BST2): C115.1 U39.13
Net-(U39-EN): C111.1 R107.2 U39.3
Net-(U39-FB): R109.1 U39.8
Net-(U39-OC): C114.1 R108.1 U39.7
Net-(U39-VCC): C112.1 U39.9
Net-(U40-BST1): C125.1 U40.16
Net-(U40-BST2): C127.1 U40.13
Net-(U40-EN): C123.1 R112.2 U40.3
Net-(U40-FB): R114.1 U40.8
Net-(U40-OC): C126.1 R113.1 U40.7
Net-(U40-VCC): C124.1 U40.9
Net-(U41-CLIM1): R122.1 U41.4
Net-(U41-CLIM2): R123.1 U41.5
Net-(U41-EN1): R119.2 R120.1 U41.3
Net-(U41-~{EN2}): R120.2 R121.1 U41.6
Net-(U42-CLIM1): R131.1 U42.4
Net-(U42-CLIM2): R132.1 U42.5
Net-(U42-EN1): R128.2 R129.1 U42.3
Net-(U42-~{EN2}): R129.2 R130.1 U42.6

Pads without a net: J1 A6 A7 A8 B6 B7 B8; J10 15 16 17 24 25 26 27 28 29 30; J13 6 7 8; U1 3; U6 1; U10 7 13 19 46 47 48 56 57 59 60 63 64 65 66 67 68 87 88 89 90 91 92 93 96 97 98 99 100 101 102 103 104 110 111 112 113 126 127 128 129 132 133 134 135; U12 1; U16 1; U20 1; U24 1; U28 1; U32 1; U36 1

## Via types
v1: diameter 0.6, hole 0.3, Top to Bottom, 232 vias

## Routing (per net, layer and track width the routed paths; a pad name or vN(x,y) marks a point on that pad's centre or on a via; arc(x,y) is an arc through that point)
+3.3V: length 73
  Top w0.1: U10.106 51.71,44.55 50.15,44.55 49.95,44.75 49.95,45.28 50.42,45.75 51.61,45.75 U10.108
  Top w0.2: v1(34.52,51.04) 34.7,50.86 R127.1
  Top w0.3: v1(15.6,57.03) 15.07,56.5 U19.3 ; v1(46,69.3) 46.2,69.5 R18.2 ; U10.108 51.84,45.68 C34.1 ; U15.3 38.45,56.9 v1(38.98,57.43) ; R62.1 46.86,61.91 v1(47.49,61.28) ; C38.1 53.57,33.6 U10.84 ; v1(50.08,27.75) 50.08,27.52 49.85,27.29 U10.72 49.85,24.66 C40.1 ; v1(78.77,31.72) 78.24,32.25 TP10.1 ; U4.15 51.05,69.51 v1(50.42,68.88) ; R70.1 24.14,61.56 v1(24.36,61.34) ; R67.1 19.27,55.03 17.59,53.35 15.05,53.35 14.02,52.32 10.39,52.32 ; R12.2 R13.2 48.03,16 v1(48.03,16) ; U10.144 32.35,49.07 C30.1 ; v1(20.16,60.87) 19.98,61.05 R69.1 ; U10.17 28.78,37.6 C45.1 ; v1(26.3,51.92) 26.59,51.63 U9.8 25.9,50.92 25.25,50.28 U9.2 25,50.28 25.65,49.62 U9.6 ; C31.1 38.85,49.07 U10.131 ; U3.15 52.25,14.75 51.9,14.4 v1(51.9,14) ; C44.1 32.8,24.8 33.35,25.35 U10.39 ; U10.6 C46.1 ; C33.1 43.85,49.57 U10.121 ; v1(43.21,61.02) 42.78,61.45 R61.1 ; v1(46,70.4) 46.15,70.55 R19.2 ; U10.52 39.85,24.53 C43.1 ; R32.1 28.35,51.29 v1(27.87,51.77) ; R134.1 20.79,37.92 21.19,37.52 v1(21.19,37.5) 20.79,37.1 R135.1 ; R72.1 5.77,61.4 v1(5.6,61.23) ; v1(72.65,19.63) 72.59,19.69 72.59,21.09 R110.1 ; U10.95 53.57,39.1 C36.1 ; C42.1 44.85,24.57 U10.62
  Top w0.5: J13.1 54.57,53.36 v1(55.06,52.87) ; C47.1 32.09,49.33 C30.1 ; C48.1 24.06,26.35 FB2.1 ; v1(6.6,50.95) 6.4,51.15 SW2.3
  vias: v1(9.72,52.23) v1(9.77,51.46) v1(10.34,51.87) v1(10.83,51.45) v1(11.05,52.26)
+5V: length 18.5
  Top w0.1: 73.65,54.35 73.65,52.59 73.3,52.24 73.3,51.9 70.98,49.58 68.1,49.58 67.88,49.8 67.88,50.55 R115.1
  Top w0.5: TP11.1 75.4,56.9 C132.1 74.15,54.35 R118.1
/3v3 Voltage Regulator/VIN: length 13.8
  Top w0.3: U40.1 62.58,54.35 C122.1 62.53,53.33 R112.1 ; U39.1 67.63,25.15 C110.1
  Top w0.5: 63.99,54.45 63.12,54.45 61.52,56.05 C121.1 ; C110.1 67.6,25.08 R107.1 ; 69.2,25.25 69.1,25.25 67.4,26.95 C109.1
/5V_REG_ADC: length 1.2
  Top w0.3: R118.2 R117.1
/MPPT/VCC: length 6.2
  Top w0.1: 66.12,37.56 66.8,37.56 67.3,37.06 U2.9
  Top w0.3: 66.12,37.56 64.49,37.56 C7.1
/STM32L4/VDDA: length 8.9
  Top w0.3: U10.33 29.52,29.6 29,29.08 27.09,29.08 26.45,29.72 C52.1 26.27,29.6
  Top w0.5: C52.1 24.33,29.72 C50.1 24.25,29.8 FB2.2
GND: length 206.1
  Top w0.2: v1(33.06,46.18) 32.85,46.39 U10.143 32.85,49.07 C30.2
  Top w0.3: v1(50.42,33.09) 50.43,33.1 U10.83 53.37,33.1 C38.2 ; C49.1 23.17,44.58 v1(22.54,45.21) ; v1(25.62,31.41) 26.15,30.88 C52.2 ; Q9.2 43.56,63.04 v1(44.26,62.34) ; U4.29 53.93,70.48 55.13,70.48 U4.23 ; U4.29 53.55,70.86 U4.24 ; U4.29 51.55,70.36 U4.16 ; v1(23.13,31.49) 23.66,32.02 C39.2 ; v1(48.35,62.5) 47.71,63.14 Q10.2 ; v1(49.43,74.89) 49.48,74.94 C16.2 ; v1(78.22,54.87) 77.65,54.3 R117.2 ; v1(70.16,24.44) 69.95,24.65 U39.2 ; C33.2 44.35,49.47 U10.120 44.35,46.21 v1(44.18,46.04) ; 70.65,51.32 R116.2 70.65,51.23 v1(71.45,52.03) ; 66.12,40.56 66.94,40.56 68.26,39.24 v1(68.26,38.81) ; v1(52.28,75.69) 52.02,75.95 51.63,75.95 C17.2 ; U15.1 38.26,55.6 v1(38.86,55) ; U15.1 U15.2 ; U15.1 U15.6 ; v1(39,23.52) C43.2 ; v1(42.46,60.05) 42.26,60.25 C65.1 ; U3.24 54.82,15.95 U3.29 ; U3.29 52.82,15.45 U3.16 ; U3.29 55.2,15.57 56.4,15.57 U3.23 ; R60.2 38.77,63.9 v1(39.21,64.34) ; v1(24.8,35.84) 25.19,36.23 C41.2 ; 66.86,53.62 v1(65.93,53.62) ; 66.86,53.62 66.91,53.62 U40.11 ; 66.86,53.62 U40.10 ; C76.1 10.39,65.88 v1(10.02,66.25) ; v1(19.33,59.9) 19.28,59.85 C73.1 ; v1(70.1,52.42) 70.03,52.35 C124.2 ; v1(55.53,76.42) 55.1,75.99 C18.2 ; v1(15.97,63.68) 15.79,63.5 R68.2 ; v1(53.78,76.67) 53.77,76.66 C23.2 ; v1(17.22,54.24) 17.22,54.92 17.06,55.08 C71.2 ; C22.2 55.53,21.51 55.89,21.51 v1(55.92,21.54) ; v1(19.94,31.89) 20.8,32.75 Y1.4 ; C42.2 46.12,24.5 v1(46.67,23.95) ; v1(75.06,22.86) 74.72,23.2 C112.2 ; C8.2 73.01,38.91 v1(73.12,38.8) ; C40.2 49.35,24.7 U10.71 49.35,27.51 v1(49.21,27.65) ; v1(71.8,19.36) 71.65,19.51 C114.2 ; v1(68.26,38.81) 68.51,38.56 U2.12 ; v1(68.26,38.81) 69.01,38.06 U2.11 ; v1(68.26,38.81) 69.51,37.56 U2.10 ; C64.1 36.41,58.14 v1(36.44,58.17) ; v1(20.58,58.94) 20.06,58.42 19.43,58.42 ; v1(78.77,46.73) 78.2,47.3 TP12.1 ; C46.2 27.23,43.1 v1(26.94,42.81) ; v1(57.7,21.3) 57,20.6 C12.2 ; v1(27.35,32.26) 27.5,32.11 C35.2 ; R21.2 46.1,71.7 v1(45.9,71.5) ; U9.4 23.78,48.97 v1(23.28,48.47) ; v1(12.22,54.5) 12.92,55.2 U19.6 U19.1 U19.2 ; v1(22.73,39.52) 23.28,40.07 C51.1 ; C68.1 32.79,65.75 v1(32.5,65.46) ; R108.2 71.71,21.19 v1(71.34,20.82) ; U18.3 32.36,63.44 v1(33.01,62.79) 32.36,62.14 U18.4 ; v1(76.19,22.36) 75.65,21.82 R111.2 ; v1(67.15,48.89) 66.62,49.42 C126.2 ; v1(67.13,49.96) 66.68,50.41 R113.2 ; C36.2 53.37,38.6 U10.94 50.49,38.6 v1(50.35,38.74) ; v1(16.5,62.61) 15.72,61.83 U21.3 U21.2 ; C111.2 67.6,20.8 v1(68.1,20.3) ; Y1.2 22.68,35.2 v1(23.62,36.14) ; v1(19.65,62.16) 20.29,62.8 Q11.2 ; U22.4 9.09,61.74 v1(9.74,62.39) 9.09,63.04 U22.3 ; v1(64.32,31.04) 65.4,29.96 C109.2 ; v1(50.55,45.1) U10.107 52.91,45.1 53.29,44.72 C34.2 ; C44.2 32.8,23.34 v1(32.24,22.78) ; v1(65.11,53.66) 64.92,53.85 U40.2 ; v1(31.83,38.26) 31.67,38.1 U10.16 28.68,38.1 C45.2 ; U17.2 U17.3 39.71,62.15 v1(40.11,62.55) ; Q12.2 24.72,63.22 v1(25.41,62.54) ; v1(39.48,46.05) 39.35,46.18 U10.130 39.35,49.07 C31.2 ; v1(38.9,10.6) 38.2,9.9 R122.2 ; v1(31.98,31.23) 31.85,31.1 U10.30 U10.31 29.08,30.6 C144.2 ; C47.2 v1(30.25,47.72)
  Top w0.5: v1(55.32,55.1) 54.85,54.63 J13.3 J13.5 ; J6.2 v1(54.15,5.7) ; v1(30.15,3.7) 29.36,4.49 C133.2 ; J7.2 44.1,4.55 v1(45.2,5.65) ; C21.2 57.52,70.39 v1(58.39,69.52) ; v1(68.3,6.9) 67.5,7.7 J11.3 ; C3.2 65.85,34.49 v1(65.37,34.01) ; v1(13.03,57.99) 12.83,57.79 C72.1 ; C32.1 6.37,45.13 4.65,46.85 SW1.1 2.15,46.85 v1(1.7,47.3) ; R10.2 76.95,43.95 v1(77.2,44.2) ; J8.2 v1(18.95,5.45) ; 40.34,55.5 40.34,55.24 v1(40.69,54.89) ; v1(7.85,22.04) 7.34,22.55 6.62,22.55 ; v1(6.5,56.2) 5.95,55.65 SW2.1 ; v1(1.8,34.35) 2.94,35.48 J2.2 ; v1(10.47,27.48) 9.99,27 R1.2 ; v1(4.3,18.75) 3.57,19.48 FB1.2 ; v1(24.46,19.24) 25.17,19.95 R139.1 25.52,18.56 R140.1 R141.1 R142.1 R143.1 R144.1 R145.1 25.52,11.44 R146.1 24.9,9.95 v1(24.41,10.44) ; D7.2 52.15,7.85 v1(52.65,7.35) ; v1(44.4,7.35) 43.95,7.8 D9.2 ; U1.4 9.93,37.33 v1(9.5,36.9) ; U16.3 43,58.83 v1(43.51,59.34) ; v1(62.48,32.67) 63,33.19 R4.2 ; R2.2 10.95,24 11.34,24.39 v1(11.35,24.39) ; D11.2 17.95,7.65 v1(18.15,7.45) ; v1(50,19.6) 50.4,20 C11.2 ; C6.2 74.7,36.31 v1(74.34,35.95) ; v1(72.85,34.64) 72.52,34.97 C9.2 ; v1(65.95,33.24) 67.05,34.34 C2.2 ; C134.2 18.04,12.88 v1(17.78,13.14) ; J13.9 54.63,58.44 v1(55.04,58.85) ; R123.2 38.5,11.1 v1(38.7,11.3) ; J12.3 71.55,67.15 v1(71.25,67.45) ; v1(7.04,59.93) 7.29,59.67 C74.1 ; v1(19.73,27.77) 19.45,27.49 C48.2 ; v1(20.03,29.73) 20.1,29.8 C50.2 ; C7.2 61.82,37.6 C1.2 60.32,37.28 v1(59.75,36.71) ; 51.92,22.07 v1(51.92,21.98) 51.98,21.92 C10.2 ; 6.62,28.95 7.29,28.95 v1(7.97,29.63) ; v1(3.35,12.65) 4.18,13.48 J3.2 ; C20.2 51.14,67.31 v1(50.6,66.77) ; D1.2 8.6,12.85 v1(8.05,13.4)
  vias: v1(9.04,62.55) v1(32.25,62.67) v1(33.7,62.63) v1(51.5,72.4) v1(51.5,71.65) v1(51.59,70.85) v1(52.73,72.36) v1(52.7,17.5) v1(52.7,16.6) v1(52.81,71.63) v1(52.81,70.83) v1(52.8,15.8) v1(53.9,16.8) v1(53.9,15.8) v1(54,17.5) v1(54.08,72.41) v1(54.09,71.68) v1(54.13,70.84) v1(55.3,17.5) v1(68.67,39.72) v1(78.83,24.3)
